# Altium PCB PCBV1.0.PcbDoc (part 2 of 2)
Units mil, origin at the board's own origin, x right, y up, seen from the top; angles counter-clockwise.
Board outline 4200 x 4650 mil, 2 copper layers (Top Layer, Bottom Layer); 172 components, 116 nets, 598 pads, 252 vias.
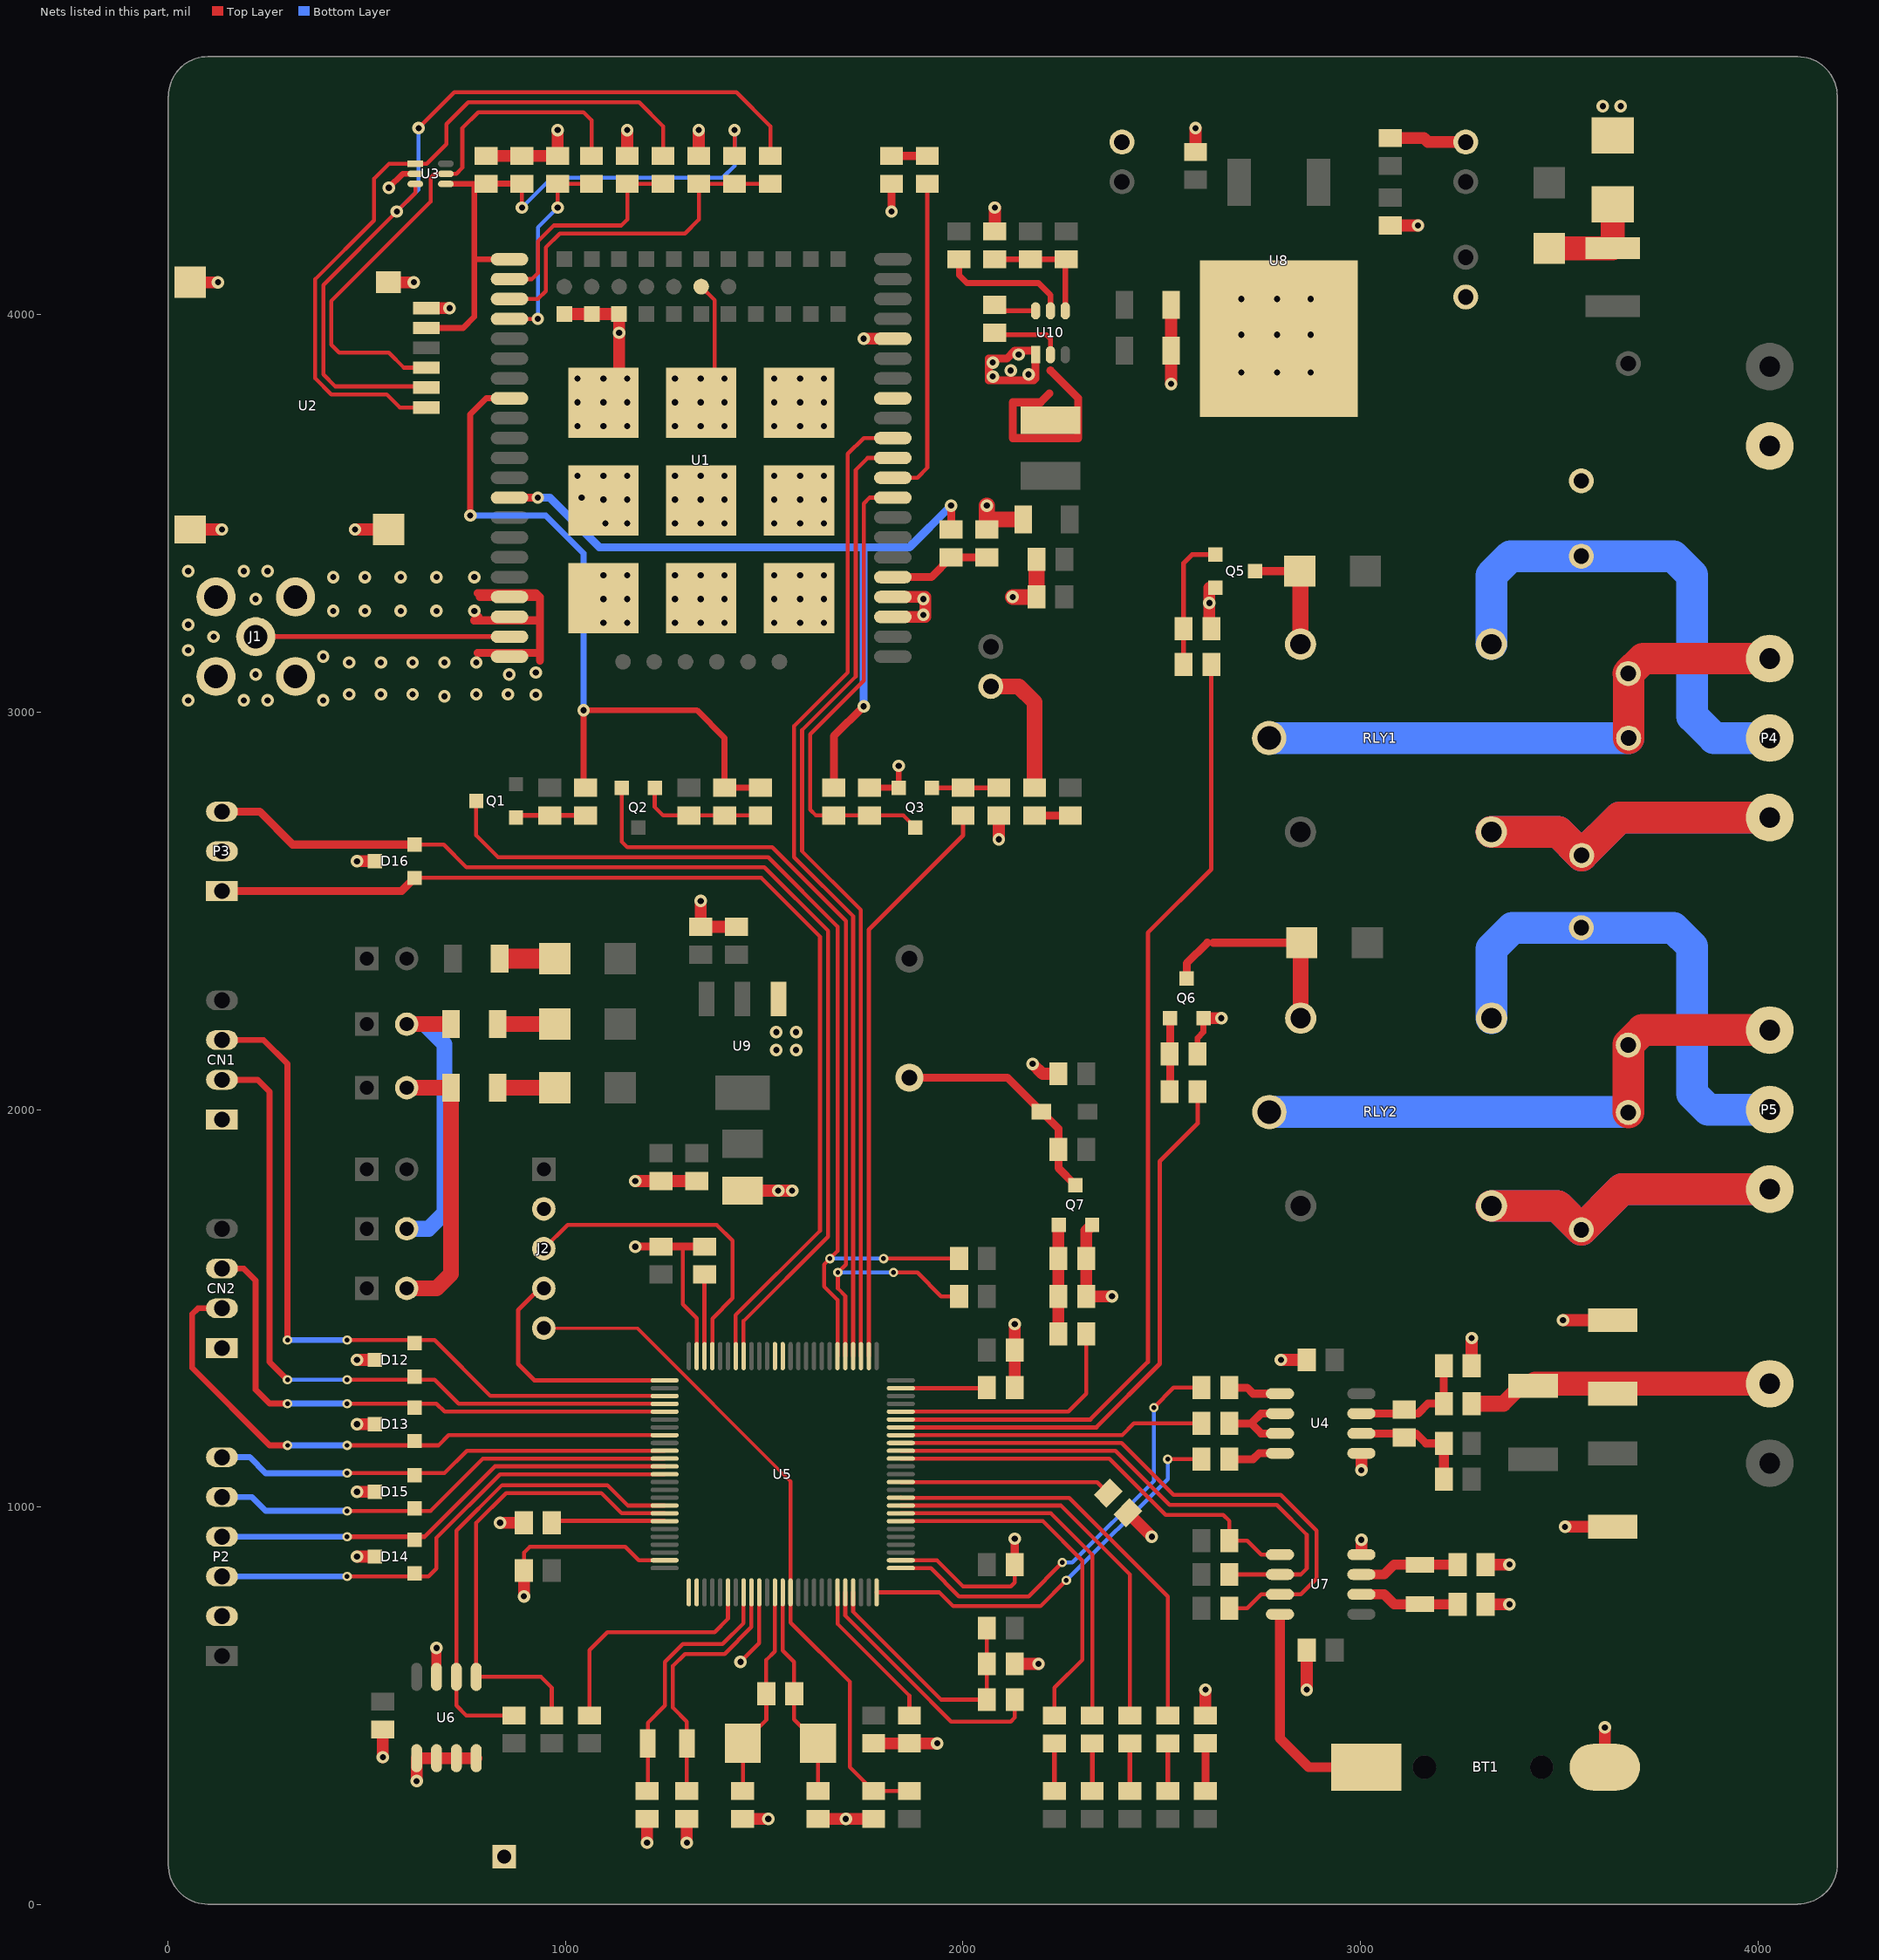
[diagram p2: the nets of this part, all layers, seen from the top]

## Via types
v1: diameter 31.5, hole 15.75, Top Layer to Bottom Layer, tented both sides, 119 vias
v2: diameter 31.5, hole 15.75, Top Layer to Bottom Layer, 107 vias
v3: diameter 23.62, hole 11.81, Top Layer to Bottom Layer, 20 vias
v4: diameter 39.37, hole 19.68, Top Layer to Bottom Layer, 4 vias
v5: diameter 47.24, hole 23.62, Top Layer to Bottom Layer, 2 vias

## Nets (pads, with @x,y where several pads share a name; then routed paths per layer and width w, separated by ;. In a path a pad name is that pad's centre, name@x,y a point inside that pad or via, vN(x,y) a via of type N, cw(c..) or ccw(c..) an arc to the next point about the centre after c; other vN are vias at no path point) (continued)
B: P1.2 R19.2 Z1.2 Z2.1 | length 777.7
  Top Layer w40: R19.2@3280.04,1260 3360,1260 3405,1305 Z2.1@3435,1305 Z2.1@3440,1310 ; P1.2@4025,1305 P1.2@4030,1310
  Top Layer w60: Z2.1@3440,1310 P1.2@4030,1310
BAT_V: BT1.1 U7.8 | length 560
  Top Layer w25: U7.8@2797.64,730 2797.64,417.36 2870,345 BT1.1@3015,345
DS1302_IO: R42.1 U5.41 U7.6 | length 1395.2
  Top Layer w10: U5.41@1843.5,1141.3 2383.7,1141.3 2520,1005 2790,1005 2865,930 2865,845 2850,830 U7.6@2797.64,830 R42.1@2670.04,830
DS1302_RST: R46.1 U5.40 U7.5 | length 1083.5
  Top Layer w10: U5.40@1843.5,1121.61 2368.39,1121.61 2510,980 2655,980 2670.04,964.96 R46.1@2670.04,915 2715,915 2750,880 U7.5@2797.64,880
DS1302_SCLK: R43.1 U5.42 U7.7 | length 1509.1
  Top Layer w10: U5.42@1843.5,1160.98 2399.02,1160.98 2530,1030 2800,1030 2890,940 2890,820 2850,780 U7.7@2797.64,780 2750,780 2715,745 R43.1@2670.04,745
GND: BT1.2 C1.1 C3.1 C4.1 C5.2 C6.2 C7.2 C8.2 C9.1 C10.2 C12.2 C13.1 C14.1 C15.1 C16.2 C17.2 C18.2 C19.1 C20.1 C21.1 C22.1 C23.1 C24.1 C25.1 C26.1 C27.1 C28.2 C29.1 C30.1 C31.2 C32.2 C33.2 C34.2 C35.2 C37.1 C38.2 C40.2 C41.2 C42.2 C43.2 CN1.1 CN2.1 D1.2 D11.2 D12.3 D13.3 D14.3 D15.3 D16.3 E1.2 E2.2 E3.2 E5.2 E6.2 J1.2 J2.2 P2.2 P3.2 P6.1 P13.1 Q3.2 Q5.2 Q6.2 Q7.2 R16.1 R18.2 R27.1 R29.1 R30.2 R32.1 R38.2 R48.2 R49.2 R53.1 R58.1 T1.1 U1.3 U1.4 U1.17 U1.39 U1.40 U1.42 U1.55 U1.56 U1.57 U1.58 U1.59 U1.60 U1.61 U1.62 U1.63 U1.65 U1.73 U1.74 U1.75 U2.4 U2.7 U2.8 U2.9 U2.10 U3.2 U4.5 U5.10 U5.27 U5.74 U5.99 U6.1 U6.2 U6.3 U6.4 U6.7 U7.4 U8.2 U9.1 U10.1 Z1.1 Z3.2 | length 9399.3
  Top Layer w10: v2(895,775) v2(895,775) ; C22.1@895,830 895,885 910,900 1150,900 1184.29,865.71 U5.99@1249.02,865.71 ; U1.58@1057.72,3570 U1.58@1093.23,3534.49 ; 1295,1655.04 1295,1510 1329.72,1475.28 U5.74@1329.72,1379.49 ; U1.65@1336.1,4071.1 U1.65@1341.1,4071.1 1375,4037.2 1375,3812.87 U1.62@1341.1,3778.98 ; v2(1440,610) 1487.2,657.2 U5.10@1487.2,785 ; U5.27@1843.5,865.71 1934.29,865.71 2000,800 2120,800 2130,810 C24.1@2130.04,855
  Top Layer w15: v2(555,4320) 590,4355 U3.2@621.61,4355 ; C8.2@1765,2810.04 Q3.2@1838,2810 Q3.2@1838,2810 v2(1838,2865) ; R29.1@2590.04,2140 2590.04,2180.04 2605,2195 Q6.2@2605,2230
  Top Layer w20: 770,3231 935,3231 ; v1(770,3255) 770,3250 780,3240 ; 778,3149 934.2,3149 935,3149.8 ; 778,3300 925,3300 935,3290 ; 783.62,3290 U1.39@858.82,3290 935,3290 ; 935,3130.2 935,3149.8 ; v2(1175.04,1655.04) C27.1@1240,1655.04 1295,1655.04 C19.1@1350,1655.04 ; v2(1820,4260) D1.2@1820,4329.96 ; 2060,3485.04 2060.04,3485 ; C24.1@2130.04,855 v2(2130.04,920) ; 2170,3910 2130,3910 2110,3890 2065,3890 2065,3835 2177.6,3835 2182.6,3840 U10.1@2182.6,3899.88 ; 935,3149.8 935,3230.2 935,3231 ; 935,3231 935,3290
  Top Layer w25: U6.7@675,572.36 v2(675,645)
  Top Layer w30: U2.10@55,3460 v2(135,3460) ; U2.9@55,4082.05 v2(125,4082.05) ; v2(470,3460) U2.8@554.21,3460 ; v2(475,875) D14.3@520,875 ; v2(475,1038) D15.3@520,1038 ; v2(475,1208) D13.3@520,1208 D13.3@518,1210 ; v2(475,1370) D12.3@520,1370 ; v2(475,2625) D16.3@520,2625 ; v2(540,370) C17.2@540,439.92 ; U2.7@554.21,4082.05 v2(617.95,4082.05) ; v2(625,310) U6.1@625,367.64 U6.2@675,367.64 U6.3@725,367.64 U6.4@775,367.64 ; U2.4@649.68,4017.09 v2(707.91,4017.09) ; C3.1@800,4400.08 979.96,4400.08 C6.2@980,4400.04 v2(980,4465) ; v2(835,960) R38.2@894.96,960 ; v2(895,775) C22.1@894.96,840 ; U1.75@996.61,4002.2 U1.74@1065.51,4002.2 U1.73@1134.41,4002.2 v2(1134.41,3955) 1134.41,3818.35 U1.63@1095.04,3778.98 ; U1.57@1053.86,3327.8 U1.57@1093.23,3288.43 ; C7.2@1155,4400.04 v2(1155,4465) ; v2(1175,1820) C26.1@1240,1819.96 C26.1@1240,1819.96 C35.2@1330,1819.96 ; v2(1205,155) C14.1@1205,214.96 ; v2(1305,155) C15.1@1305,214.96 ; C5.2@1335,4400.04 v2(1335,4465) ; v2(1340,2525) C31.2@1340,2460.04 C32.2@1430,2460.04 ; C13.1@1445,214.96 v2(1509.96,214.96) ; E5.2@1445,1795.94 v2(1535,1795.94) v2(1570,1795.94) ; C16.2@1635,214.96 v2(1705,214.96) C18.2@1775,214.96 ; v2(1750,3940) U1.17@1823.39,3940 ; C25.1@1775,405 v2(1935,405) ; U1.3@1823.39,3240 1905,3240 1905,3290 U1.4@1823.39,3290 ; R53.1@2080,4210.04 v2(2080,4270) ; v2(2090,2680) R16.1@2090,2740 ; C21.1@2130,605 v2(2190,605) ; C20.1@2130.04,1300 C23.1@2130.04,1395 v2(2130.04,1459.96) ; v2(2175,2115) 2200,2090 C10.2@2239.96,2090 ; Q7.2@2325,1710 2310.04,1695.04 C12.2@2310.04,1625 R32.1@2310.04,1530 v2(2375,1530) ; R30.2@2414.78,985.22 v2(2475,925) ; v2(2523.66,3826.34) C43.2@2523.66,3910 C42.2@2523.66,4025 ; C37.1@2585,4410.04 v2(2585,4470) ; Q6.2@2605,2230 v2(2650,2230) ; R49.2@2610,475.08 v2(2610,540) ; Q5.2@2620,3313 v2(2620,3275) 2620,3215.04 R27.1@2625.04,3210 ; v2(2800,1370) C9.1@2864.96,1370 ; v2(2864.96,540.04) C28.2@2864.96,640 ; U7.4@3002.36,890 v2(3002.36,917.36) ; v2(3002.36,1092.64) U4.5@3002.36,1125 ; C34.2@3075,4224.96 v2(3144.96,4224.96) ; C33.2@3075,4445.08 3159.92,4445.08 3170,4435 E3.2@3265,4435 ; R18.2@3280.04,1355 v2(3280.04,1424.96) ; C29.1@3315.04,755 v2(3375,755) ; C30.1@3315.04,855 v2(3375,855) ; v2(3510,1470) Z1.1@3635,1470 ; v2(3515,950) Z3.2@3635,950 ; BT1.2@3615,345 v2(3615,445)
  Top Layer w40: C1.1@2060,3460.04 2060,3485.04 v2(2060,3520) ; 2060.04,3485 C38.2@2151.34,3485 ; E6.2@2070,3065 2140,3065 2180,3025 D11.2@2180,2810.04 ; v2(2125,3290) C40.2@2184.92,3290 2184.92,3384.96 C41.2@2184.96,3385
  other v1: 50,3030 190,3030 250,3030 390,3030 695,3040 455,3045 535,3045 615,3045 775,3045 855,3045 220,3095 455,3125 535,3125 615,3125 695,3125 775,3125 390,3140 50,3156 114,3190 50,3220 1095,3225 1155,3225 1275,3225 1340,3225 1400,3225 1525,3225 1590,3225 1650,3225 415,3255 495,3255 585,3255 675,3255 220,3285 1095,3285 1155,3285 1275,3285 1340,3285 1400,3285 1525,3285 1590,3285 1650,3285 415,3340 495,3340 585,3340 675,3340 770,3340 1095,3345 1155,3345 1275,3345 1340,3345 1400,3345 1525,3345 1590,3345 1650,3345 190,3355 250,3355 1100,3475 1155,3475 1275,3475 1340,3475 1400,3475 1525,3475 1590,3475 1650,3475 1095,3535 1155,3535 1275,3535 1340,3535 1400,3535 1525,3535 1590,3535 1650,3535 1040,3540 1030,3595 1095,3595 1155,3595 1275,3595 1340,3595 1400,3595 1525,3595 1590,3595 1650,3595 1030,3720 1095,3720 1155,3720 1275,3720 1340,3720 1400,3720 1525,3720 1590,3720 1650,3720 1030,3780 1095,3780 1155,3780 1275,3780 1340,3780 1400,3780 1525,3780 1590,3780 1650,3780 1030,3840 1095,3840 1155,3840 1275,3840 1340,3840 1400,3840 1525,3840 1590,3840 1650,3840 2700,3855 2790,3855 2875,3855 2700,3950 2790,3950 2875,3950 2700,4040 2790,4040 2875,4040
  other v2: 1530,2150 1580,2150 1530,2195 1580,2195 925,3044 858,3095 925,3100 1900,3245 1900,3285 50,3355 2075,3845 2165,3850 2120,3860 2075,3880 2140,3900 3610,4525 3655,4525
I2C1_SCL: R39.1 U5.92 U6.6 | length 1188.3
  Top Layer w10: R39.1@870,475.08 749.92,475.08 725,500 U6.6@725,572.36 725,940 840,1055 1105,1055 1156.5,1003.5 U5.92@1249.02,1003.5
I2C1_SDA: R40.1 U5.93 U6.5 | length 1185.2
  Top Layer w10: R40.1@965,475.08 965,545 937.64,572.36 U6.5@775,572.36 775,960 850,1035 1090,1035 1141.18,983.82 U5.93@1249.02,983.82
JTCK-SWCLK: J2.4 U5.76 | length 609
  Top Layer w11: J2.4@945,1550 935,1550 880,1495 880,1360 921.54,1318.46 U5.76@1249.02,1318.46
JTMS-SWDIO: J2.3 U5.72 | length 828
  Top Layer w10: J2.3@945,1650 1005,1710 1380,1710 1420,1670 1420,1525 1369.09,1474.09 U5.72@1369.09,1379.49
K1: R26.1 U5.45 | length 2502.8
  Top Layer w11: U5.45@1843.5,1220.04 2320,1220 2465,1365 2465,2445 2625.04,2605.04 R26.1@2625.04,3120
K2: R28.1 U5.44 | length 1442
  Top Layer w11: U5.44@1843.5,1200.35 2335.35,1200.35 2495,1360 2495,1869.96 2590.04,1965 R28.1@2590.04,2045
LED1: R33.1 U5.35 | length 1074.4
  Top Layer w10: U5.35@1843.5,1023.19 1843.5,1023.06 2266.94,1023.06 2515,775 R33.1@2515,475
LED2: R34.1 U5.34 | length 1003.4
  Top Layer w10: U5.34@1843.5,1003.5 2246.5,1003.5 2420,830 R34.1@2420,475
LED3: R35.1 U5.33 | length 929.5
  Top Layer w10: U5.33@1843.5,983.82 2221.18,983.82 2325,880 R35.1@2325,475
LED4: R36.1 U5.32 | length 916.6
  Top Layer w10: U5.32@1843.5,964.13 2200.87,964.13 2300,865 2300,615 2230,545 R36.1@2230,475
LED_NET: R12.2 U1.10 | length 811.9
  Top Layer w10: U1.10@1823.39,3590 1885,3590 1910,3615 R12.2@1910,4329.96
LINKA: U1.11 U5.53 | length 2453.6
  Top Layer w10: U5.53@1743.11,1379.49 1743.11,2501.89 1595,2650 1595,2955 1730,3090 1730,3610 1760,3640
  Top Layer w11: 1760,3640 U1.11@1823.39,3640
LINKB: U1.12 U5.54 | length 2517.9
  Top Layer w10: U5.54@1723.43,1379.49 1723.43,2486.57 1575,2635 1575,2965 1710,3100 1710,3650 1750,3690 U1.12@1823.39,3690
MCU_BEEL: R31.1 U5.46 | length 635.3
  Top Layer w10: U5.46@1843.5,1239.72 2264.72,1239.72 2310.04,1285.04 R31.1@2310.04,1435
MCU_RST: R14.1 U5.52 | length 1458.7
  Top Layer w11: U5.52@1762.8,1379.49 1762.8,2452.8 2000,2690 R14.1@2000,2739.96
NetB1_2: B1.2 C11.2 D4.1 Q7.3 | length 588
  Top Layer w20: B1.2@1865,2080.39 2111.53,2080.39 D4.1@2196.93,1995 2240,1951.93 2240,1853 Q7.3@2283,1810
NetC1_2: C1.2 R4.1 U1.5 | length 257.3
  Top Layer w20: U1.5@1823.39,3340 1920.04,3340 R4.1@1970,3389.96 C1.2@2060,3389.96
NetC2_2: C2.2 Q2.1 R5.2 R7.2 | length 333.7
  Top Layer w10: Q2.1@1224,2820 1224,2761 1245.04,2739.96 R7.2@1310,2739.96 C2.2@1400,2739.96 R5.2@1490,2739.96
NetC12_1: C12.1 Q7.1 R31.2 R32.2 | length 275.4
  Top Layer w30: R31.2@2239.96,1435 R32.2@2239.96,1530 C12.1@2239.96,1625 2239.96,1708.96 Q7.1@2241,1710
NetC13_2: C13.2 R37.2 U5.12 Y1.1 | length 543.8
  Top Layer w10: C13.2@1445,275.04 1446.02,276.06 Y1.1@1446.02,405 1504.96,463.94 R37.2@1504.96,530 ; R37.2@1504.92,530 1504.92,614.92 1526.57,636.57 U5.12@1526.57,785
NetC14_2: C14.2 U5.8 Y2.1 | length 669.2
  Top Layer w10: C14.2@1205,275 1206.57,276.57 Y2.1@1206.57,405 1206.57,456.57 1250,500 1250,610 1295,655 1395,655 1447.83,707.83 U5.8@1447.83,785
NetC15_2: C15.2 U5.9 Y2.2 | length 664.9
  Top Layer w10: C15.2@1305,275 C15.2@1305,285.04 Y2.2@1305,405 1305,460 1270,495 1270,600 1300,630 1400,630 1467.52,697.52 U5.9@1467.52,785
NetC16_1: C16.1 R37.1 U5.13 Y1.2 | length 536.7
  Top Layer w10: U5.13@1546.26,785 1546.26,638.74 1575,610 1575,465 Y1.2@1635,405 C16.1@1635,285.04
NetC19_2: C19.2 U5.73 | length 210.5
  Top Layer w11: U5.73@1349.41,1379.49 C19.2@1349.41,1589.96
NetC20_2: C20.2 U5.49 | length 217
  Top Layer w10: U5.49@1843.5,1298.78 2058.74,1298.78 C20.2@2059.96,1300
NetC29_2: C29.2 U7.2 Y3.2 | length 253
  Top Layer w25: U7.2@3002.36,780 3060,780 3085,755 C29.2@3244.96,755
NetC30_2: C30.2 U7.3 Y3.1 | length 253
  Top Layer w25: U7.3@3002.36,830 3060,830 3085,855 C30.2@3244.96,855
NetC36_1: C36.1 U10.6 | length 107.7
  Top Layer w12: C36.1@2074.92,4010.12 U10.6@2182.6,4010.12
NetC36_2: C36.2 L1.1 U10.2 | length 755.1
  Top Layer w12: C36.2@2065,3949.96 2210.04,3949.96 2220,3940 U10.2@2220,3899.88
  Top Layer w20: 2217.5,3802.5 2195,3780 2125,3780 2125,3690 2290,3690 2290,3790 2220,3860
NetC44_2: C44.2 R50.2 R53.2 U10.4 | length 309.8
  Top Layer w15: R53.2@2080,4139.96 R50.2@2170,4139.96 C44.2@2257.4,4139.96 ; U10.4@2257.4,4010.12 C44.2@2257.4,4139.96 ; C44.2@2260,4139.96 C44.2@2257.4,4139.96
NetD1_1: D1.1 R12.1 | length 90
  Top Layer w20: D1.1@1820,4400.04 R12.1@1910,4400.04
NetD2_1: D2.1 Q5.3 RLY1.2 | length 294
  Top Layer w20: Q5.3@2735,3355 D2.1@2842.32,3355
  Top Layer w30: D2.1@2842.32,3355 D2.1@2849.21,3348.11
  Top Layer w40: RLY1.2@2849.21,3171.22 D2.1@2849.21,3348.11
NetD3_1: D3.1 Q6.3 RLY2.2 | length 525
  Top Layer w20: Q6.3@2563,2330 2563,2368 2615,2420 ; 2630,2420 D3.1@2847.05,2420 ; D3.1@2849.69,2417.36 D3.1@2847.05,2420 ; D3.1@2852.32,2420 D3.1@2847.05,2420
  Top Layer w40: RLY2.2@2849.69,2230 D3.1@2849.69,2417.36
NetD5_2: D5.2 R33.2 | length 119.9
  Top Layer w12: D5.2@2515,285 R33.2@2515,404.92
NetD6_2: D6.2 R34.2 | length 119.9
  Top Layer w12: D6.2@2420,285 R34.2@2420,404.92
NetD7_2: D7.2 R35.2 | length 119.9
  Top Layer w12: D7.2@2325,285 R35.2@2325,404.92
NetD8_2: D8.2 R36.2 | length 119.9
  Top Layer w12: D8.2@2230,285 R36.2@2230,404.92
NetD9_1: D9.1 F1.2 T1.2 | length 257.7
  Top Layer w60: D9.1@3475,4167.32 F1.2@3634.35,4167.32 ; F1.2@3635,4180 T1.2@3635,4278.39
NetD10_2: D10.2 R49.1 | length 120
  Top Layer w20: D10.2@2610,285.04 R49.1@2610,405
NetD11_1: D11.1 R51.2 | length 90
  Top Layer w20: D11.1@2180,2739.96 R51.2@2270,2739.96
NetD17_2: D17.2 F2.1 | length 143.7
  Top Layer w40: F2.1@828.66,2055 D17.2@972.32,2055
NetD18_2: D18.2 F3.1 | length 143.7
  Top Layer w40: F3.1@828.66,2215 D18.2@972.32,2215
NetD19_2: D19.2 F4.1 | length 122.3
  Top Layer w50: F4.1@850,2380 D19.2@972.32,2380
NetF2_2: F2.2 P7.2 P8.2 | length 706.4
  Top Layer w40: P8.2@600,1550 675,1550 711.34,1586.34 F2.2@711.34,2055 P7.2@600,2055
NetF3_2: F3.2 P9.2 P10.2 | length 763.6
  Top Layer w40: P9.2@600,2215 F3.2@711.34,2215
  Bottom Layer w40: P10.2@600,1700 655,1700 695,1740 695,2165 645,2215 P9.2@600,2215
NetJ1_1: J1.1 U1.41 | length 673.8
  Top Layer w12: J1.1@195,3190 J1.1@220,3190 U1.41@858.82,3190 U1.41@868.82,3190
NetP4_1: P4.1 R54.2 RLY1.5 | length 1558.8
  Top Layer w80: RLY1.5@3329.53,2698.78 3497.84,2698.78 R54.2@3556.89,2639.73 3652.16,2735 P4.1@4030,2735 P4.1@4045,2735
  Bottom Layer w80: RLY1.5@3329.53,2698.78 3497.84,2698.78 R54.2@3556.89,2639.73 3652.16,2735 P4.1@4030,2735 P4.1@4045,2735
NetP4_2: P4.2 R55.1 RLY1.3 | length 1291.2
  Bottom Layer w80: RLY1.3@3329.53,3171.22 3329.53,3344.53 3377.64,3392.64 R55.1@3555.94,3392.64 3787.36,3392.64 3835,3345 3835,2990 3890,2935 P4.2@4030,2935
NetP4_3: P4.3 R54.1 R55.2 RLY1.4 | length 1453.8
  Top Layer w80: R54.1@3675,2935 3675,3096.42 R55.2@3674.05,3097.36 3711.69,3135 P4.3@4030,3135 P4.3@4045,3135
  Bottom Layer w80: RLY1.4@2770.47,2935 R54.1@3675,2935
NetP5_1: P5.1 R56.2 RLY2.5 | length 1564.9
  Top Layer w80: RLY2.5@3330,1757.56 3495.75,1757.56 R56.2@3555.95,1697.36 3658.58,1800 P5.1@4030,1800 P5.1@4045,1800
  Bottom Layer w80: RLY2.5@3330,1757.56 3495.75,1757.56 R56.2@3555.95,1697.36 3658.58,1800 P5.1@4030,1800 P5.1@4045,1800
NetP5_2: P5.2 R57.1 RLY2.3 | length 1303.1
  Bottom Layer w80: RLY2.3@3330,2230 3330,2405 3382.64,2457.64 R57.1@3555.94,2457.64 3787.36,2457.64 3835,2410 3835,2040 3875,2000 P5.2@4030,2000
NetP5_3: P5.3 R56.1 R57.2 RLY2.4 | length 1442.5
  Top Layer w80: R56.1@3674.06,1992.64 R57.2@3674.05,2162.36 ; R57.2@3674.06,2164.06 3710,2200 P5.3@4030,2200
  Bottom Layer w80: RLY2.4@2770.95,1993.78 R56.1@3672.91,1993.78
NetQ1_1: Q1.1 R1.2 R2.2 | length 177.1
  Top Layer w12: Q1.1@875,2735 879.96,2739.96 R2.2@960,2739.96 R1.2@1050,2739.96
NetQ3_1: Q3.1 R14.2 R16.2 | length 168
  Top Layer w12: Q3.1@1922,2810.08 R16.2@2090,2810.08
NetQ5_1: Q5.1 R26.2 R27.2 | length 329.1
  Top Layer w12: R26.2@2554.96,3120 R27.2@2554.96,3210 2554.96,3374.96 2577,3397 Q5.1@2620,3397
NetQ6_1: Q6.1 R28.2 R29.2 | length 185
  Top Layer w20: R28.2@2521,2045 Q6.1@2521,2230
NetR9_2: R9.2 U2.2 U3.5 | length 1412.4
  Top Layer w10: U2.2@649.68,3867.09 592.91,3867.09 555,3905 430,3905 410,3925 410,4035 660,4285 660,4345 670,4355 U3.5@698.39,4355 ; U3.5@703.39,4355 725,4355 740,4370 740,4470 780,4510 1045,4510 1065,4490 R9.2@1065,4400.04
NetR10_1: R10.1 U2.6 U3.3 | length 2078
  Top Layer w10: 615,3820 420,3820 390,3850 390,4075 v2(575,4260) 621.61,4306.61 U3.3@621.61,4329.41 ; v2(630,4470) 720,4560 1430,4560 1515,4475 R10.1@1515,4400.04
  Bottom Layer w10: v2(575,4260) 630,4315 v2(630,4470)
NetR11_2: R11.2 U2.3 U3.1 | length 1809.8
  Top Layer w10: U2.3@649.68,3767.09 582.91,3767.09 550,3800 410,3800 370,3840 370,4090 517.5,4237.5 517.5,4342.5 555.59,4380.59 U3.1@621.61,4380.59 650.59,4380.59 700,4430 700,4480 755,4535 1185,4535 1245,4475 R11.2@1245,4400.04
NetR18_1: R18.1 R19.1 R22.2 U4.7 | length 313
  Top Layer w20: U4.7@3002.36,1235 3145,1235 3170,1260 R19.1@3209.96,1260 R18.1@3209.96,1355
NetR20_2: R20.2 U4.1 | length 133.8
  Top Layer w20: R20.2@2670.04,1300 2715,1300 2730,1285 U4.1@2797.64,1285
NetR21_2: R21.2 U4.2 U4.3 | length 220.9
  Top Layer w20: R21.2@2670.04,1210 2725,1210 ; U4.3@2797.64,1185 2750,1185 2725,1210 ; U4.2@2797.64,1235 2750,1235 2725,1210
NetR22_1: R22.1 R23.1 R25.2 U4.6 | length 308
  Top Layer w20: U4.6@3002.36,1185 3140,1185 3165,1160 R23.1@3209.96,1160
  Top Layer w25: R25.2@3209.96,1070 R23.1@3209.96,1160
NetR24_2: R24.2 U4.4 | length 133.8
  Top Layer w20: R24.2@2670.04,1120 2730,1120 2745,1135 U4.4@2797.64,1135
NetR30_1: R30.1 U5.37 | length 533.2
  Top Layer w10: U5.37@1843.5,1062.56 2337.44,1062.56 R30.1@2365.22,1034.78
NetR38_1: R38.1 U5.94 | length 284.4
  Top Layer w10: R38.1@965,965 1248.15,965 U5.94@1249.02,964.13
NetR44_2: R44.2 U5.6 | length 612.5
  Top Layer w10: R44.2@1060,475.04 1060,640 1105,685 1375,685 1408.46,718.46 U5.6@1408.46,785
NetR45_1: R45.1 U5.21 | length 644.4
  Top Layer w10: U5.21@1703.74,785 1703.74,726.26 1865,565 ; 1865.04,565 1970.04,460 2120,460 2130,470 R45.1@2130,515
NetR48_1: R48.1 U5.20 | length 384.9
  Top Layer w10: U5.20@1684.06,785 1684.06,705.94 1865,525 R48.1@1865,475.04
NetR52_2: R52.2 U10.5 | length 330.6
  Top Layer w15: R52.2@1990,4139.96 1990,4100 2010,4080 2190,4080 2220,4050 U10.5@2220,4010.12
RCLK: D14.2 P2.4 U5.87 | length 1187.3
  Top Layer w11: v3(450,925) 645,925 821.93,1101.93 U5.87@1249.02,1101.93
  Bottom Layer w15: P2.4@135,925 v3(450,925)
RESET: C8.1 Q3.3 R13.1 U1.9 | length 1189.2
  Top Layer w10: U1.9@1823.39,3540 1765,3540 1750,3525 1750,3080 1615,2945 1615,2755 1630.04,2739.96 C8.1@1765,2739.96 1850.04,2739.96 Q3.3@1880,2710
RESET#: C18.1 J2.5 R41.2 U5.14 | length 1741.4
  Top Layer w8: J2.5@945,1450 1180,1450 1565.94,1064.06
  Top Layer w10: 1565.94,1064.06 U5.14@1565.94,785 1565.94,709.06 1715,560 1715,345.04 C18.1@1775,285.04 R41.2@1865,285.04 R41.2@1870,285.04
SCL: U5.1
SDA: U5.2
SER: D14.1 P2.3 U5.88 | length 1265.8
  Top Layer w10: v3(450,825) 655,825 675,845 675,922.24 835,1082.24 U5.88@1249.02,1082.24
  Bottom Layer w15: P2.3@135,825 v3(450,825)
SIM_CLK: C7.1 R11.1 U1.23 | length 575.1
  Top Layer w10: U1.23@858.82,4090 915,4090 930,4105 930,4185 970,4225 1140,4225 1155,4240 C7.1@1155,4319.96 ; C7.1@1155,4329.96 R11.1@1245,4329.96
SIM_DATA: C5.1 R8.1 R10.2 U1.24 | length 883.4
  Top Layer w10: U1.24@858.82,4040 930,4040 950,4060 950,4170 985,4205 1300,4205 1335,4240 C5.1@1335,4319.96 ; C5.1@1335,4329.96 R8.1@1425,4329.96 R10.2@1515,4329.96
SIM_RST: C6.1 R9.1 U1.25 | length 516.9
  Top Layer w10: U1.25@858.82,3990 v2(930,3990) ; v2(980,4270) C6.1@980,4329.96 R9.1@1065,4329.96
  Bottom Layer w10: v2(930,3990) 930,4220 v2(980,4270)
SIM_VDD: C3.2 C4.2 R8.2 U1.22 U2.1 U3.4 | length 1520.7
  Top Layer w10: C4.2@880,4329.96 C4.2@890,4329.96 v2(890,4270) ; R8.2@1425,4400.04 v2(1425,4465)
  Top Layer w15: U2.1@649.68,3967.09 742.09,3967.09 770,3995 770,4140 ; U3.4@703.39,4329.96 C3.2@800,4329.96 ; 770,4320 770,4140 ; C3.2@805,4330 879.96,4330 C4.2@880,4329.96 ; U1.22@858.82,4140 770,4140
  Bottom Layer w10: v2(890,4270) 965,4345 1395,4345 1425,4375 v2(1425,4465)
SRCLK: D15.1 P2.5 U5.86 | length 1183
  Top Layer w10: v3(450,990) 660,990 791.61,1121.61 U5.86@1249.02,1121.61
  Bottom Layer w15: P2.5@135,1025 210,1025 245,990 v3(450,990)
U2CE: R21.1 U5.43 | length 768.6
  Top Layer w10: U5.43@1843.5,1180.67 2400.67,1180.67 2430,1210 R21.1@2599.96,1210
UART4_RX: CN1.2 D12.1 U5.79 | length 1850.3
  Top Layer w10: v3(450,1320) 670,1320 730.59,1259.41 U5.79@1249.02,1259.41 ; D12.1@620.75,1318 D12.1@620.81,1318.07
  Top Layer w15: CN1.2@135,2075 225,2075 255,2045 255,1365 v3(300,1320)
  Bottom Layer w10: v3(300,1320) v3(450,1320)
UART4_TX: CN1.3 D12.2 U5.78 | length 1892.2
  Top Layer w10: v3(450,1420) 670,1420 810.91,1279.09 U5.78@1249.02,1279.09
  Top Layer w15: CN1.3@135,2175 240,2175 300,2115 v3(300,1420)
  Bottom Layer w15: v3(300,1420) v3(450,1420)
UART5_RX: CN2.2 D13.1 U5.83 | length 1496.6
  Top Layer w10: v3(450,1155) 680,1155 705.67,1180.67 U5.83@1249.02,1180.67
  Top Layer w15: CN2.2@135,1500 75,1500 60,1485 60,1350 255,1155 v3(300,1155)
  Bottom Layer w15: v3(300,1155) v3(450,1155)
UART5_TX: CN2.3 D13.2 U5.80 | length 1424.3
  Top Layer w10: v3(450,1260) 675,1260 695.28,1239.72 U5.80@1249.02,1239.72
  Top Layer w15: CN2.3@135,1600 190,1600 220,1570 220,1295 255,1260 v3(300,1260)
  Bottom Layer w15: v3(300,1260) v3(450,1260)
USART1_RX: D16.1 P3.1 U5.69 | length 2723.4
  Top Layer w10: D16.1@620,2583 1492,2583 1640,2435 1640,1695 1428,1483 1428,1379.64 U5.69@1428.15,1379.49
  Top Layer w20: P3.1@135,2550 587,2550 D16.1@620,2583
USART1_TX: D16.2 P3.3 U5.68 | length 2807.7
  Top Layer w10: D16.2@620,2667 693,2667 750,2610 1500,2610 1660,2450 1660,1680 1447.83,1467.83 U5.68@1447.83,1379.49
  Top Layer w20: P3.3@135,2750 230,2750 313,2667 D16.2@620,2667
USART2_RX: R20.1 U5.26 | length 1111.7
  Top Layer w10: U5.26@1843.5,846.02 1918.98,846.02 1990,775 2165,775 v3(2250,860) ; v3(2480,1250) 2530,1300 R20.1@2599.96,1300
  Bottom Layer w10: v3(2250,860) 2275,860 2480,1065 v3(2480,1250)
USART2_TX: R24.1 U5.25 | length 1014.5
  Top Layer w10: U5.25@1782.48,785 1940,785 1975,750 2195,750 v3(2260,815) ; v3(2515,1120) R24.1@2599.96,1120
  Bottom Layer w10: v3(2260,815) 2515,1070 v3(2515,1120)
USART3_RX: Q1.3 R3.2 U5.56 | length 2525.6
  Top Layer w10: Q1.3@775,2777 775,2690 830,2635 1510,2635 1684.06,2460.94 1684.06,1644.06 v3(1665,1625) 1650,1610 1650,1555 1684.06,1520.94 U5.56@1684.06,1379.49 ; v3(1800,1625) R3.2@1989.96,1625
  Bottom Layer w10: v3(1665,1625) v3(1800,1625)
USART3_TX: Q2.2 R6.2 U5.55 | length 2223.8
  Top Layer w10: Q2.2@1141,2810 1141,2674 1155,2660 1520,2660 1705,2475 1705,1610 v3(1685,1590) 1685,1550 1703.74,1531.26 U5.55@1703.74,1379.49 ; v3(1825,1590) 1885,1590 1945,1530 R6.2@1989.96,1530
  Bottom Layer w10: v3(1685,1590) v3(1825,1590)
USART6_RX: U5.64
USART6_TX: U5.63
V_PAD_1V8: R4.2 R13.2 U1.34 | length 1902.5
  Top Layer w20: U1.34@858.82,3540 v2(930,3540) ; R13.2@1675,2810 1675,2940 v2(1750,3015) ; R4.2@1970,3460.04 v2(1970,3520)
  Bottom Layer w20: v2(930,3540) 960,3540 1085,3415 1750,3415 ; v2(1750,3015) 1750,3415 ; v2(1970,3520) 1865,3415 1750,3415
V_PAD_3V0: C2.1 R1.1 R5.1 U1.29 | length 1885.7
  Top Layer w15: v2(760,3495) 760,3750 800,3790 U1.29@858.82,3790 ; R1.1@1050,2810.04 1045,2815.04 v2(1045,3005) 1330,3005 1400,2935 C2.1@1400,2810.04 R5.1@1490,2810.04
  Bottom Layer w15: v2(760,3495) 950,3495 1045,3400 v2(1045,3005)
VDDA: C21.2 R45.2 R47.2 U5.22 | length 656.7
  Top Layer w10: U5.22@1723.43,785 1723.43,736.57 1945,515 R45.2@2059.92,515 C21.2@2059.92,605 R47.2@2059.92,695
WORK: U1.14
ZD: D15.2 P2.6 U5.85 | length 1153.9
  Top Layer w10: v3(450,1085) 695,1085 751.3,1141.3 U5.85@1249.02,1141.3
  Bottom Layer w15: P2.6@135,1125 205,1125 245,1085 v3(450,1085)
pads on no net: BT1. U1.6 U1.7 U1.8 U1.13 U1.15 U1.16 U1.18 U1.19 U1.20 U1.21 U1.26 U1.27 U1.28 U1.30 U1.31 U1.32 U1.33 U1.37 U1.38 U1.43 U1.44 U1.45 U1.46 U1.47 U1.48 U1.49 U1.50 U1.51 U1.52 U1.53 U1.54 U1.64 U1.66 U1.67 U1.68 U1.69 U1.70 U1.71 U1.72 U1.76 U1.77 U1.78 U1.79 U1.80 U1.81 U1.82 U1.83 U1.84 U1.85 U1.86 U2.5 U3.6 U5.3 U5.4 U5.5 U5.7 U5.15 U5.16 U5.17 U5.18 U5.23 U5.24 U5.29 U5.30 U5.31 U5.36 U5.38 U5.39 U5.47 U5.48 U5.51 U5.57 U5.58 U5.59 U5.60 U5.61 U5.62 U5.65 U5.66 U5.67 U5.70 U5.71 U5.77 U5.81 U5.82 U5.84 U5.89 U5.90 U5.91 U5.95 U5.96 U5.97 U5.98

## Polygon pours and split planes (outlines as drawn)
GND on Top Layer "Top Layer-No Net" (hatched 90Degree grid 8 track 20, remove dead copper, pour order 12): 935,3005 40,3005 40,3370 840,3370 935,3275
GND on Bottom Layer "Top Layer-No Net" (hatched 90Degree grid 8 track 20, remove dead copper, pour order 10): 0,4.27 0,4649.27 4200,4649.27 4200,3520 2795,3520 2665,3390 2665,1720 2840.73,1544.27 4200,1544.27 4200,4.27

## Keep-outs
Keep-Out Layer:
  circle w5: c150,150 r62.99
  circle w5: c4050,150 r62.99
  circle w5: c150,4500 r62.99
  circle w5: c4050,4500 r62.99
  lines w5: 0,4550 0,100 ccw(c100,100) 100,0 4100,0 ; 0.56,4550.73 cw(c99.91,4550.64) 100,4650 4100,4650 cw(c4100,4550) 4200,4550 4200,100 cw(c4100.64,99.91) 4100.73,0.56

## Other copper
Top Layer:
  rectangle net GND: 790,3092 935,3140
  rectangle net GND: 790,3230.2 935,3285
  rectangle net GND: 3590,4410 3675,4545
  region net GND: 2115,3904.88 2115,3835 2177.6,3835 2177.6,3904.88
  region net GND: 2070,3890 2070,3835 2120,3835 2120,3890
  rectangle net NetC36_2: 2210,3785 2232,3909.88
  rectangle net NetC36_2: 2120,3700 2145,3770
  rectangle net NetC36_2: 2140,3697.5 2297.5,3780
  rectangle net NetC36_2: 2220,3765 2255,3835
  rectangle net NetC36_2: 2260,3770 2290,3800
  rectangle net NetC36_2: 2240,3765 2270,3820
  rectangle net NetC36_2: 2205,3775 2230,3800
  rectangle net +5V: 2260,3880 2390,3940
  rectangle net +5V: 2271.2,3940 2390,3955
  rectangle net GND: 1790,3240 1915,3295
  rectangle net +3.8V: 1800,3135 2150,3195
  rectangle net +5V: 1310,2205 1390,2380
  rectangle net GND: 1510,2125 1600,2325

## Silkscreen, mask and mechanical layers (free items; w line width, h text height)
Top Overlay:
  text "+12V" at 3915,4015 h60
  text "V+" at 3840,3815 h60 r90
  text "V-" at 3840,3630 h60 r90
  text "COM" at 3775,3215 h60 r270
  text "NO" at 3780,2975 h60 r270
  text "NC" at 3785,2775 h60 r270
  text "TX1" at 295,2725 h40
  text "GND" at 295,2625 h40
  text "RX1" at 295,2525 h40
  text "+5V" at 500,2440 h40
  text "+12V" at 470,2275 h40
  text "COM" at 3780,2270 h60 r270
  text "+V1" at 295,2250 h40
  text "TX4" at 295,2150 h40
  text "+3.3V" at 470,2115 h40
  text "RX4" at 295,2050 h40
  text "NO" at 3785,2045 h60 r270
  text "GND" at 295,1950 h40
  text "NC" at 3790,1845 h60 r270
  text "+5V" at 675,1830 h40
  text "3.3V" at 1010,1815 h40
  text "GND" at 1010,1715 h40
  text "+V2" at 290,1680 h40
  text "+12V" at 670,1680 h40
  text "SDIO" at 1010,1615 h40
  text "TX5" at 290,1580 h40
  text "+3.3V" at 675,1515 h40
  text "SCLK" at 1010,1510 h40
  text "RX5" at 290,1480 h40
  text "RESET" at 1010,1410 h40
  text "GND" at 290,1380 h40
  text "B" at 3790,1280 h60
  text "ZD" at 320,1110 h40
  text "A" at 3790,1080 h60
  text "SRCLK" at 270,1010 h40
  text "RCLK" at 270,900 h40
  text "SER" at 280,800 h40
  text "冠林电子" at 3575,720 h160
  text "GND" at 280,700 h40
  text "+5V" at 280,610 h40
  text "26-04-02" at 3655,585 h60
  text "V1.2" at 3915,460 h60
Top Solder:
  circle w20: c2400,4200 r10
  circle w20: c2240,3190 r10
  circle w20: c1140,1890 r10
Bottom Solder:
  rectangle: 1500,3205 1675,3365
  rectangle: 1250,3205 1425,3365
  rectangle: 1500,3455 1675,3615
  rectangle: 1250,3455 1425,3615
  rectangle: 1005,3700 1180,3860
  rectangle: 1250,3700 1425,3860
  rectangle: 1500,3700 1675,3860

## Dimensions
100,0 to 100,4650 on Keep-Out Layer
4200,4550 to 0,4550 on Keep-Out Layer

## Text inside footprints (layer, text, board x,y; h text height)
B1: Top Overlay "+" at 1934.5,2404.99 h40 r270